# Altium PCB TrackCommanderCar_PCB.PcbDoc (part 1 of 2)
Units mm, origin at the board's own origin, x right, y up, seen from the top; angles counter-clockwise.
Board outline 155.3 x 78.3 mm, 2 copper layers (Top Layer, Bottom Layer); 125 components, 88 nets, 481 pads, 306 vias.
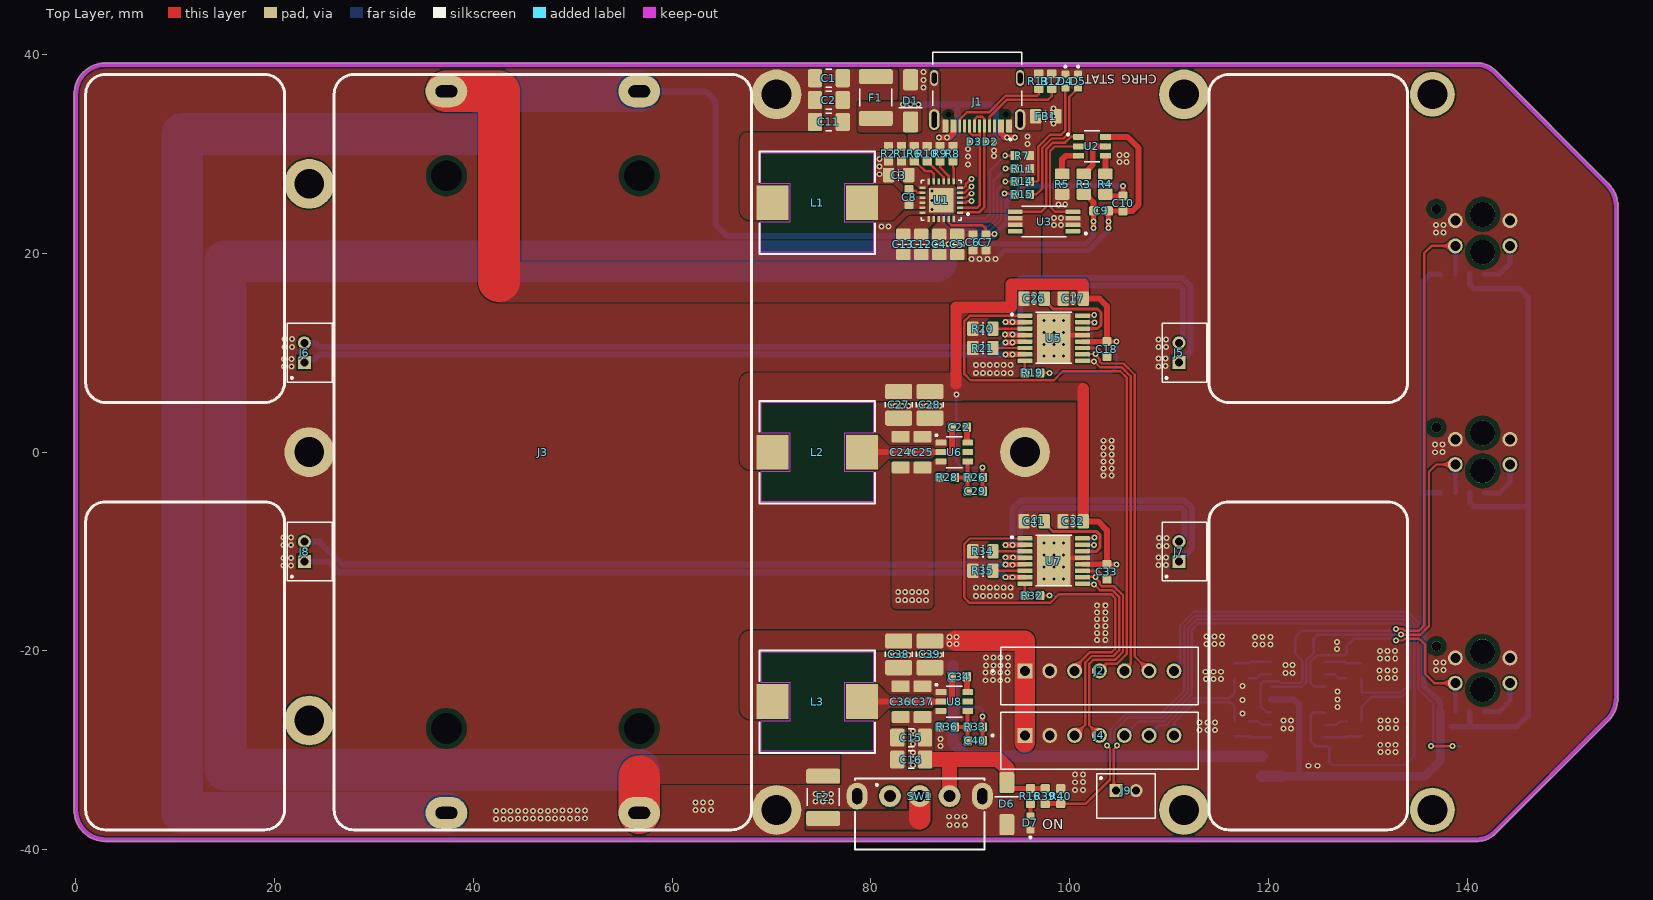
[diagram p0: Top Layer view]
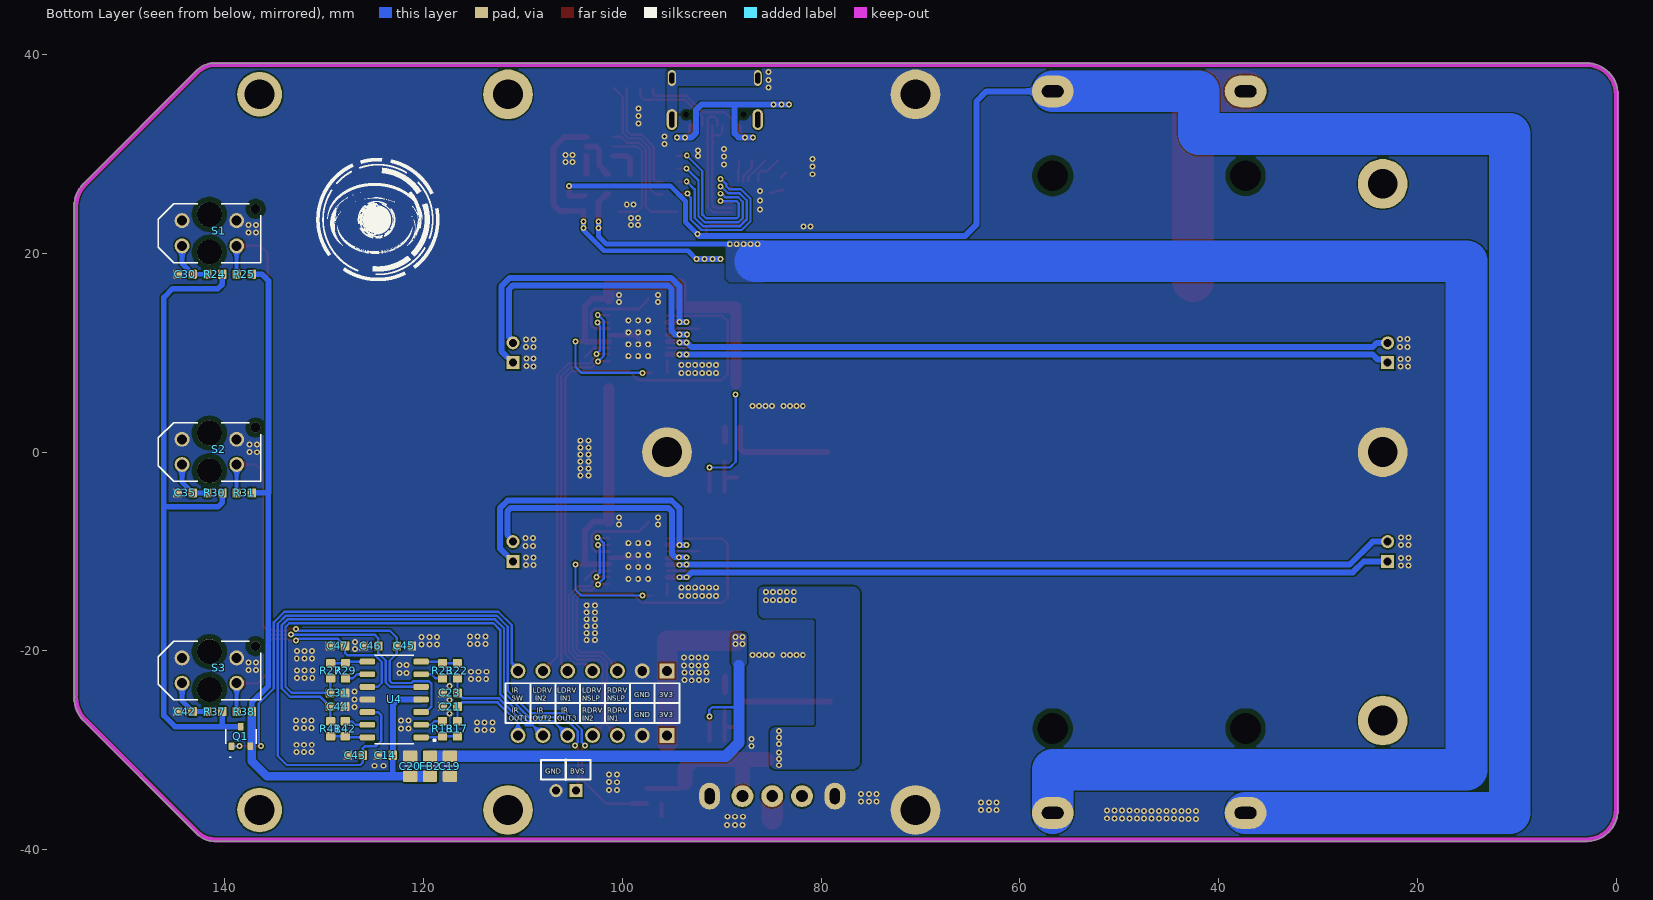
[diagram p1: Bottom Layer view, seen from below]

## Layer stack, top to bottom
Top Solder: solder mask 0.0102, Solder Resist, Dk 3.5
Top Layer: signal copper 0.0356
Dielectric 1: dielectric 0.32, FR-4, Dk 4.8
Bottom Layer: signal copper 0.0356
Bottom Solder: solder mask 0.0102, Solder Resist, Dk 3.5

## Board outline
2.999,-39.151 13,-39.151 140.997,-39.151 141,-39.151 ccw(c141,-36.587) 142.813,-38.4 142.816,-38.397 154.208,-27.005 ccw(c151.933,-24.73) 155.15,-24.731 ccw(c155,-24.731) 155.096,-24.615 ccw(c155,-24.5) 155.15,-24.5 155.15,24.96 155.137,25.022 ccw(c151.934,24.729) 154.208,27.004 142.813,38.399 ccw(c141,36.585) 141.001,39.15 141,39.15 3,39.15 2.997,39.15 ccw(c3,35.999) -0.151,35.999 -0.151,28.999 -0.151,-36.001 -0.151,-36.002 ccw(c3,-36.001)

## Design rules (kind name [scope] priority, off if disabled: settings)
AcuteAngle AcuteAngle_Default [All] p1: minimum=8.50000000000000E+0001 checktracksonly=FALSE
BoardOutlineClearance BoardOutlineClearance_Default [All] p1: gap=0.3 ignorepadtopadclearanceinfootprint=FALSE except(0: Arc-SplitContinuation Track-SplitContinuation SMDPad-SplitContinuation THPad-SplitContinuation Via-SplitContinuation Fill-SplitContinuation Poly-SplitContinuation Region-SplitContinuation Text-SplitContinuation)
Clearance Clearance_NPTH [Hole And (PadIsPlated = 'False')] p1: gap=0 ignorepadtopadclearanceinfootprint=TRUE except(0.5: Arc-Hole Track-Hole SMDPad-Hole THPad-Hole Via-Hole Fill-Hole Poly-Hole Region-Hole Text-Hole)
Clearance Clearance_RF_50R_To_GND [InNetClass('RF_50R') vs InNet('GND')] p2: gap=0.23 ignorepadtopadclearanceinfootprint=FALSE
Clearance Clearance_Power_To_GND [InNetClass('Power') vs InNet('GND')] p3: gap=0.3 ignorepadtopadclearanceinfootprint=FALSE
Clearance Clearance_Default [All] p4: gap=0.15 ignorepadtopadclearanceinfootprint=FALSE except(0.3: Arc-Hole Track-Hole THPad-Hole Via-Hole Fill-Hole Poly-Hole Region-Hole Text-Hole)
DiffPairsRouting [All] p1: maxlimit=0.254 minlimit=0.1 mostfreqgap=0.2 toplayer_minwidth=0.1 toplayer_maxwidth=0.381 toplayer_prefwidth=0.25 bottomlayer_minwidth=0.1 bottomlayer_maxwidth=0.381 bottomlayer_prefwidth=0.25 maxuncoupledlength=12.7
HoleSize HoleSize_Default [All] p1: absolutevalues=TRUE maxlimit=10 minlimit=0.2 maxpercent=80.000 minpercent=20.000
HoleToHoleClearance [All] p1: gap=0.1 allowstackedmicrovias=TRUE
HoleToHoleClearance HoleToHoleClearance_Default [All] p2: gap=0.3 allowstackedmicrovias=FALSE
MatchedLengths MatchedLengths_SBC_USB2 [InNetClass('SBC_USB2')] p1: tolerance=25.4 checknetsindiffpair=FALSE checkdiffpairvsdiffpair=TRUE checkxsignals=TRUE checkothers=TRUE
MinimumAnnularRing MinimumAnnularRing_Default [All] p1: minimumring=0.05
MinimumSolderMaskSliver MinimumSolderMaskSliver_OnSolder [OnSolderMask vs OnSolderMask] p1: minsoldermaskwidth=0.08
MinimumSolderMaskSliver MinimumSolderMaskSliver_Default [All] p2: minsoldermaskwidth=0.08
PlaneClearance PlaneClearance_Default [All] p1: clearance=0.5
PlaneConnect PlaneConnect_Default [All] p1: pad.planeconnectstyle=Relief pad.reliefexpansion=0.5 pad.reliefentries=4 pad.reliefconductorwidth=0.2 pad.reliefairgap=0.5 via.planeconnectstyle=Direct via.reliefexpansion=0.508 via.reliefentries=4 via.reliefconductorwidth=0.254 via.reliefairgap=0.5
PolygonConnect PolygonConnect_Thermal [InPadClass('Thermal')] p1: connectstyle=Relief reliefconductorwidth=0.25 reliefentries=4 polygonreliefangle="45 Angle" airgapwidth=0.2
PolygonConnect PolygonConnect_Direct [InPadClass('Direct')] p2: connectstyle=Direct reliefconductorwidth=0.254 reliefentries=4 polygonreliefangle="90 Angle" airgapwidth=0.254
PolygonConnect PolygonConnect_Default [All] p3: connectstyle=Direct reliefconductorwidth=1 reliefentries=4 polygonreliefangle="45 Angle" airgapwidth=0.05
RoutingVias [All] p1: holewidth=0.3 width=0.5 viastyle="Through Hole" minholewidth=0.3 minwidth=0.5 maxholewidth=0.4 maxwidth=0.6
SilkToSilkClearance SilkToSilkClearance_Default [All] p1: silktosilkclearance=0.125
SilkToSolderMaskClearance SilkToSolderMaskClearance_Default [All] p1: minsilkscreentomaskgap=0.08 clearancetoexposedcopper=FALSE
SolderMaskExpansion SolderMaskExpansion_via [IsVia] p1: expansion=-0.3 istentingtop=FALSE
SolderMaskExpansion SolderMaskExpansion_NPTH [Hole And (PadIsPlated = 'False')] p2: expansion=0.1 istentingtop=FALSE soldermaskfromhole=TRUE
SolderMaskExpansion [All] p3: expansion=0.05 istentingtop=FALSE
SupplyNets "Schematic Supply Nets_6" [InNet('+5V SYS')] p1: voltage=0.000
SupplyNets "Schematic Supply Nets_5" [InNet('+3V3 SENSOR')] p2: voltage=0.000
SupplyNets "Schematic Supply Nets_4" [InNet('GND')] p3: voltage=0.000
SupplyNets "Schematic Supply Nets_3" [InNet('+5V')] p4: voltage=0.000
SupplyNets "Schematic Supply Nets_2" [InNet('+3V3')] p5: voltage=0.000
SupplyNets "Schematic Supply Nets_1" [InNet('+VBAT')] p6: voltage=0.000
SupplyNets "Schematic Supply Nets" [InNet('+5V USB')] p7: voltage=0.000
UnConnectedPin [All] p1 off:
UnpouredPolygon UnpouredPolygon_Default [All] p1:
Width Width_RF_50R [InNetClass('RF_50R')] p1: maxlimit=1 minlimit=1 preferedwidth=1
Width Width_Default [All] p2: maxlimit=5 minlimit=0.15 preferedwidth=0.24 minimp=50.000000 maximp=50.000000 favimp=50.000000
21 further rules are at their usual default settings.

## Classes and differential pairs
differential pair class DIFF_USB: USB_D
differential pair USB_D: +USB_D_P -USB_D_N

## Components (designator, comment, footprint, x,y, rotation, side; value= is the part's Value field where it differs from the comment)
C1 "10uF" C_1206#1 75.775,37.619 r0 top
C2 "0.1u" C_1206#1 75.775,35.419 r0 top
C3 "10uF 25V" C_0805 82.79,27.88 r0 top
C4 "10uF 25V" C_0805 86.875,20.899 r90 top
C5 "10uF 25V" C_0805 88.675,20.899 r90 top
C6 "0.1uF" C_0603 90.275,21.099 r90 top
C7 "0.1uF" C_0603 91.575,21.099 r90 top
C8 "0.1uF" C_0603 83.84,25.67 r270 top
C9 "0.1uF" C_0603 103.159,24.285 r180 top
C10 "0.1uF" C_0603 105.369,25.02 r90 top
C11 "10uF" C_1206#1 75.775,33.219 r0 top
C12 "22uF" C_0805 85.075,20.899 r90 top
C13 "22uF" C_0805 83.275,20.899 r90 top
C14 "0.1uF" C_0603 123.85,-30.5 r0 bottom
C15 "10uF" C_1206#1 84.06,-28.727 r0 top
C16 "0.1u" C_1206#1 84.06,-30.927 r0 top
C17 "10uF" C_0805 100.375,15.45 r0 top
C18 "0.1uF" C_0603 103.75,10.374 r90 top
C19 "2.2uF" C_0805 117.35,-31.6 r90 bottom
C20 "2.2uF" C_0805 121.35,-31.6 r270 bottom
C21 "0.1uF" C_0603 117.345,-25.6 r180 bottom
C22 "0.1uF" C_0603 88.9,2.5 r0 top
C23 "0.1uF" C_0603 117.345,-24.225 r180 bottom
C24 "22uF" C_1206#2 83,0 r270 top
C25 "0.1uF" C_1206#2 85.2,0 r270 top
C26 "2.2uF" C_0805 96.425,15.45 r180 top
C27 "22uF" C_1210 82.8,4.759 r90 top
C28 "22uF" C_1210 85.94,4.759 r270 top
C29 "75pF" C_0603 90.5,-3.941 r180 top
C30 "0.1uF" C_0603 144,17.9 r0 bottom
C31 "0.1uF" C_0603 128.655,-24.225 r0 bottom
C32 "10uF" C_0805 100.35,-6.967 r0 top
C33 "0.1uF" C_0603 103.75,-12.04 r90 top
C34 "0.1uF" C_0603 88.9,-22.6 r0 top
C35 "0.1uF" C_0603 144,-4.1 r0 bottom
C36 "22uF" C_1206#2 83,-25.1 r270 top
C37 "0.1uF" C_1206#2 85.2,-25.1 r270 top
C38 "22uF" C_1210 82.8,-20.341 r90 top
C39 "22uF" C_1210 85.94,-20.341 r270 top
C40 "56pF" C_0603 90.5,-29.041 r180 top
C41 "2.2uF" C_0805 96.425,-6.967 r180 top
C42 "0.1uF" C_0603 144,-26.1 r0 bottom
C43 "0.1uF" C_0603 126.86,-30.5 r180 bottom
C44 "0.1uF" C_0603 128.655,-25.6 r0 bottom
C45 "0.1uF" C_0603 121.93,-19.5 r0 bottom
C46 "0.1uF" C_0603 125.315,-19.5 r180 bottom
C47 "0.1uF" C_0603 128.655,-19.5 r180 bottom
D1 "SMAJ8.0A" TVS_SMAJ_XA 83.995,35.349 r90 top
D2 "RCLAMP0521P" TVS_RCLAMP0521P 91.995,31.229 r180 top
D3 "RCLAMP0521P" TVS_RCLAMP0521P 90.395,31.229 r0 top
D4 "Led_Red" Led_0603 99.565,37.329 r270 top
D5 "Led_Green" Led_0603 100.855,37.324 r270 top
D6 "SMAJ9.0A" TVS_SMAJ_XA 93.679,-35.366 r270 top
D7 "Led_Green" Led_0603 96.048,-37.302 r90 top
F1 "MF-MSMF250" Fuse1812#1 80.505,35.679 r90 top
F2 "MF-MSMF250" Fuse1812#2 75.2,-34.7 r270 top
FB1 "30R 100MHz" "Ferrite bead 0805" 97.595,33.784 r180 top
FB2 "100R 100MHz" "Ferrite bead 0805" 119.35,-31.6 r90 bottom
J1 "USB TYPE C" USB_C_16Pin 93.895,32.819 r180 top
J2 "Control PCB connector 1" "JST XH_7_2.5" 103,-22 r180 top
J3 "BAT Holder" "BAT HOLDER BLM 18650 2PCS" 47,0 r180 top
J4 "Control PCB connector 2" "JST XH_7_2.5" 103,-28.5 r180 top
J5 "L Motor connector" "JST PH_2_2.0" 111,10 r270 top
J6 "L Motor connector" "JST PH_2_2.0" 23,10 r270 top
J7 "R Motor connector" "JST PH_2_2.0" 111,-10 r270 top
J8 "R Motor connector" "JST PH_2_2.0" 23,-10 r270 top
J9 "BVS connector" "JST PH_2_2.0" 105.675,-34.05 r180 top
L1 "2.2uF" "INDUCTOR 1040" 74.6,25.1 r0 top
L2 "15uH" "INDUCTOR 1040" 74.6,0 r180 top
L3 "15uH" "INDUCTOR 1040" 74.6,-25.1 r180 top
Q1 "SI2301DS" SOT-23 138.375,-28.6 r90 bottom
R1 "0.5R" R_0603 83.081,30.023 r90 top
R2 "5K1" R_0603 81.765,30.023 r270 top
R3 "330R" R_0805 101.43,26.972 r270 top
R4 "330R" R_0805 103.602,26.972 r270 top
R5 "2K" R_0805 99.247,26.972 r90 top
R6 "60K" R_0603 84.365,30.034 r270 top
R7 "120K" R_0603 95.221,29.834 r180 top
R8 "1K" R_0603 88.265,30.034 r270 top
R9 "1K" R_0603 86.965,30.034 r270 top
R10 "120K" R_0603 85.665,30.034 r270 top
R11 "51K" R_0603 95.221,28.534 r180 top
R12 "5K1" R_0603 98.195,37.319 r270 top
R13 "5K1" R_0603 96.895,37.319 r270 top
R14 "100R" R_0603 95.221,27.234 r0 top
R15 "100R" R_0603 95.221,25.934 r0 top
R16 "1K" R_0603 96.051,-34.598 r90 top
R17 "100R" R_0603 116.59,-27.845 r270 bottom
R18 "100R" R_0603 118.09,-27.825 r90 bottom
R19 "10K" R_0603 96.258,7.975 r0 top
R20 "0.2R" R_0805 91.275,12.429 r180 top
R21 "0.2R" R_0805 91.275,10.479 r180 top
R22 "100R" R_0603 116.59,-22 r90 bottom
R23 "100R" R_0603 118.09,-22 r270 bottom
R24 "120R" R_0603 141,17.9 r180 bottom
R25 "4.7K" R_0603 138.05,17.9 r0 bottom
R26 "100K 1%" R_0603 90.5,-2.541 r180 top
R27 "100R" R_0603 129.35,-22 r90 bottom
R28 "13.3K 1%" R_0603 87.7,-2.541 r0 top
R29 "100R" R_0603 127.85,-22 r270 bottom
R30 "120R" R_0603 141,-4.1 r180 bottom
R31 "4.7K" R_0603 138.05,-4.1 r0 bottom
R32 "10K" R_0603 96.258,-14.425 r0 top
R33 "100K 1%" R_0603 90.5,-27.641 r180 top
R34 "0.2R" R_0805 91.275,-9.985 r180 top
R35 "0.2R" R_0805 91.275,-11.935 r180 top
R36 "22.1K 1%" R_0603 87.7,-27.641 r0 top
R37 "120R" R_0603 141,-26.1 r180 bottom
R38 "4.7K" R_0603 138.05,-26.1 r0 bottom
R39 "30K" R_0603 97.55,-34.6 r270 top
R40 "12K" R_0603 99.1,-34.6 r90 top
R41 "100R" R_0603 129.35,-27.825 r270 bottom
R42 "100R" R_0603 127.88,-27.825 r90 bottom
S1 "TCRT5000" TCRT5000 141.5,22 r0 bottom
S2 "TCRT5000" TCRT5000 141.5,0 r0 bottom
S3 "TCRT5000" TCRT5000 141.5,-22 r0 bottom
SW1 "SSW" Slide_SW_SS12F23G4 84.92,-34.61 r0 top
U1 "IP2326" IP2326_QFN_24 87.075,25.349 r180 top
U2 "HY2120" HY2120 102.247,30.772 r0 top
U3 "FS8205A" FS8205A 97.425,23.201 r180 top
U4 "MCP6004" MCP6004_SOIC 122.95,-24.885 r0 bottom
U5 "DRV8833PWPR" DRV8833PWPR 98.403,11.454 r0 top
U6 "TPS54202DDCR" TPS54202DDCR 88.4,0 r0 top
U7 "DRV8833PWPR" DRV8833PWPR 98.403,-10.96 r0 top
U8 "TPS54202DDCR" TPS54202DDCR 88.4,-25.1 r0 top

## Footprints (in the part's own frame and the unit in brackets; to place one, negate y for a bottom-side part, rotate by r counter-clockwise, add the part's x,y. Pads: shape width x height; smd on the part's side, far side on the other; paste and mask are expansions set on the pad)
"BAT HOLDER BLM 18650 2PCS" [mm]
  oval 4.2x3.2 hole 1.2 slot 2.2 at 0 deg mask+0.07: 1(-9.7,36.3) 2(9.7,36.3) 3(-9.7,-36.3) 4(9.7,-36.3)
  round 0.55 hole 3.1 unplated mask+0.07: ""(-9.7,27.8) ""(-9.7,-27.8) ""(9.7,27.8) ""(9.7,-27.8)
  body extent -20.1,-38.9 20.1,38.9, height 22.99
C_0603 [mm]
  rrect25% 0.87x0.93 smd mask+0.07: 1(-0.755,0) 2(0.755,0)
  body extent -0.8,-0.4 0.8,0.4, height 0.97
C_0805 [mm]
  rrect25% 1.15x1.45 smd mask+0.07: 1(-1.016,0)
  rrect25% 1.15x1.45 smd paste-2539.97 mask+0.07: 2(1.016,0)
  silkscreen extent 0,-0.55 0,0.55, body extent -1,-0.63 1,0.63, height 1.52
C_1206#1 [mm]
  rrect25% 1.44x1.82 smd mask+0.07: 1(-1.397,0) 2(1.397,0)
  silkscreen extent -0.29,-0.9 0.29,0.9, body extent -1.6,-0.8 1.6,0.8, height 1.9
C_1206#2 [mm]
  rrect25% 1.2x1.82 smd mask+0.07: 1(-1.55,0) 2(1.55,0)
  silkscreen extent -0.29,-0.9 0.29,0.9, body extent -1.6,-0.8 1.6,0.8, height 1.9
C_1210 [mm]
  rrect25% 1.53x2.72 smd mask+0.07: 1(-1.341,0) 2(1.341,0)
  silkscreen extent -0.26,-1.35 0.26,1.35, body extent -1.6,-1.25 1.6,1.25, height 2.65
DRV8833PWPR [mm]
  rrect25% 1.5x0.45 smd mask+0.05: 1(-2.9,2.275) 2(-2.9,1.625) 3(-2.9,0.975) 4(-2.9,0.325) 5(-2.9,-0.325) 6(-2.9,-0.975) 7(-2.9,-1.625) 8(-2.9,-2.275) 9(2.9,-2.275) 10(2.9,-1.625) 11(2.9,-0.975) 12(2.9,-0.325) 13(2.9,0.325) 14(2.9,0.975) 15(2.9,1.625) 16(2.9,2.275)
  round 0.6 hole 0.3 mask+0: GND(-1,-1.8) GND(-1,-0.6) GND(-1,0.6) GND(-1,1.8) GND(0,-1.8) GND(0,-0.6) GND(0,0.6) GND(0,1.8) GND(1,-1.8) GND(1,-0.6) GND(1,0.6) GND(1,1.8)
  rect 3.4x5 smd paste-2539.97 mask+0: GND(0,0)
  silkscreen extent -4.3,-2.5 1.83,2.6, body extent -3.2,-2.5 3.2,2.5, height 1.2
"Ferrite bead 0805" [mm]
  rrect25% 1.15x1.45 smd mask+0.07: 1(-1.016,0)
  rrect25% 1.15x1.45 smd paste-2539.97 mask+0.07: 2(1.016,0)
  silkscreen extent 0,-0.55 0,0.55, body extent -1,-0.63 1,0.63, height 1.05
FS8205A [mm]
  rrect25% 1.5x0.45 smd mask+0.05: 1(-2.9,0.975) 2(-2.9,0.325) 3(-2.9,-0.325) 4(-2.9,-0.975) 5(2.9,-0.975) 6(2.9,-0.325) 7(2.9,0.325) 8(2.9,0.975)
  silkscreen extent -4.3,-1.52 2.25,1.52, body extent -3.2,-1.47 3.2,1.47, height 1.2
Fuse1812#1 [mm]
  rrect25% 1.5x3.4 smd mask+0.07: 1(-2.1,0) 2(2.1,0)
  silkscreen extent -0.9,-1.62 0.9,1.62, body extent -2.27,-1.62 2.27,1.62, height 0.85
Fuse1812#2 [mm]
  rrect25% 1.5x3.4 smd mask+0.07: 1(-2.1,0) 2(2.16,0)
  silkscreen extent -0.9,-1.62 0.9,1.62, body extent -2.27,-1.62 2.27,1.62, height 0.85
HY2120 [mm]
  rrect25% 1.1x0.6 smd mask+0.07: 1(-1.35,0.95) 2(-1.35,0) 3(-1.35,-0.95) 4(1.35,-0.95) 5(1.35,0) 6(1.35,0.95)
  silkscreen extent -2.5,-1.56 0.8,1.57, body extent -1.5,-1.5 1.5,1.5, height 1.1
"INDUCTOR 1040" [mm]
  rect 3.2x3.5 smd mask+0.09: 1(-4.5,0) 2(4.5,0)
  Top Layer keep-out region: -5.653,1.9 -5.653,5 5.65,5 5.65,1.9 2.7,1.9 2.7,-1.9 5.65,-1.9 5.65,-5 -5.653,-5 -5.653,-1.9 -2.7,-1.9 -2.7,1.9
  silkscreen extent -5.8,-5.15 5.8,5.15, body extent -5.65,-5 5.65,5, height 4.2
IP2326_QFN_24 [mm]
  rrect25% 0.6x0.25 smd mask+0.07: 1(-1.9,1.25) 2(-1.9,0.75) 3(-1.9,0.25) 4(-1.9,-0.25) 5(-1.9,-0.75) 6(-1.9,-1.25) 13(1.9,-1.25) 14(1.9,-0.75) 15(1.9,-0.25) 16(1.9,0.25) 17(1.9,0.75) 18(1.9,1.25)
  rrect25% 0.25x0.6 smd mask+0.07: 7(-1.25,-1.9) 8(-0.75,-1.9) 9(-0.25,-1.9) 10(0.25,-1.9) 11(0.75,-1.9) 12(1.25,-1.9) 19(1.25,1.9) 20(0.75,1.9) 21(0.25,1.9) 22(-0.25,1.9) 23(-0.75,1.9) 24(-1.25,1.9)
  rrect2% 2.45x2.45 smd paste-0.45 mask+0.07: GND(0,0)
  silkscreen extent -2.8,-2 2,2, body extent -2,-2 2,2, height 1
"JST PH_2_2.0" [mm]
  rect 1.308x1.308 / inner round 1.308 / far side rect 1.308x1.308 hole 0.8 mask+0.07: 1(1,0)
  round 1.308 hole 0.8 mask+0.07: 2(-1,0)
  silkscreen extent -2.95,-1.7 2.95,2.8, body extent -2.95,-1.7 2.95,2.8, height 6
"JST XH_7_2.5" [mm]
  rect 1.508x1.508 / inner round 1.508 / far side rect 1.508x1.508 hole 1 mask+0.07: 1(7.5,0)
  round 1.508 hole 1 mask+0.07: 2(5,0) 3(2.5,0) 4(0,0) 5(-2.5,0) 6(-5,0) 7(-7.5,0)
  silkscreen extent -9.95,-2.35 10.85,3.4, body extent -9.95,-2.35 9.95,3.4, height 7
Led_0603 [mm]
  rrect25% 0.7x0.8 smd mask+0.07: 1(-0.7,0) 2(0.7,0)
  silkscreen extent -1.56,-0.1 -1.36,0.1, body extent -0.8,-0.4 0.8,0.4, height 0.55
MCP6004_SOIC [mm]
  rrect50% 1.55x0.6 smd mask+0.05: 1(-2.7,3.81) 2(-2.7,2.54) 3(-2.7,1.27) 4(-2.7,0) 5(-2.7,-1.27) 6(-2.7,-2.54) 7(-2.7,-3.81) 8(2.7,-3.81) 9(2.7,-2.54) 10(2.7,-1.27) 11(2.7,0) 12(2.7,1.27) 13(2.7,2.54) 14(2.7,3.81)
  silkscreen extent -4.15,-4.45 1.95,4.45, body extent -3,-4.33 3,4.33, height 1.75
R_0603 [mm]
  rrect25% 0.87x0.93 smd mask+0.07: 1(-0.755,0) 2(0.755,0)
  body extent -0.77,-0.4 0.77,0.4, height 0.55
R_0805 [mm]
  rrect25% 1.15x1.45 smd mask+0.07: 1(-1.016,0)
  rrect25% 1.15x1.45 smd paste-2539.97 mask+0.07: 2(1.016,0)
  silkscreen extent 0,-0.55 0,0.55, body extent -1,-0.63 1,0.63, height 0.65
Slide_SW_SS12F23G4 [mm]
  round 2.2 hole 1.2 mask+0.07: 1(-3,0) 2(0,0) 3(3,0)
  oval 2.1x2.7 hole 1 slot 1.6 at 90 deg mask+0.07: SH(-6.3,0) SH(6.3,0)
  silkscreen extent -6.5,-5.35 6.5,1.8, body extent -6.5,-10.35 6.5,0.45, height 5.6
SOT-23 [mm]
  rrect25% 0.76x0.56 smd mask+0.07: 1(-0.984,0.95) 2(-0.984,-0.95) 3(0.984,0)
  silkscreen extent -2.14,-1.55 0.72,1.55, body extent -1.2,-1.45 1.2,1.45, height 1.14
TCRT5000 [mm]
  round 1.5 hole 1 mask+0.07: A(2.8,1.245) CATH(2.8,-1.295) COLL(-2.7,1.245) E(-2.7,-1.295)
  round 1 hole 1 unplated mask+0.07: ""(-4.6,-2.475)
  round 2.5 hole 2.5 unplated mask+0.07: ""(0.05,-1.925) ""(0.05,1.875)
  silkscreen extent -5.1,-2.97 5.2,2.93, body extent -5.08,-3.4 5.12,3.4, height 7.2
TPS54202DDCR [mm]
  rrect25% 1.1x0.6 smd mask+0.07: 1(-1.35,0.95) 2(-1.35,0) 3(-1.35,-0.95) 4(1.35,-0.95) 5(1.35,0) 6(1.35,0.95)
  silkscreen extent -1.9,-1.56 0.8,1.8, body extent -1.5,-1.5 1.5,1.5, height 1.1
TVS_RCLAMP0521P [mm]
  rrect25% 0.55x0.6 smd mask+0.05: 1(-0.425,0) 2(0.425,0)
  body extent -0.55,-0.36 0.55,0.36, height 0.56
TVS_SMAJ_XA [mm]
  rrect25% 2.12x1.5 smd mask+0.07: 1(-2.115,0) 2(2.115,0)
  silkscreen extent -0.7,-1.2 -0.7,1.2, body extent -2.57,-1.28 2.57,1.28, height 2.5
USB_C_16Pin [mm]
  rrect20% 0.6x1.3 smd mask+0.05: A1_B12(0,0) A4_B9(0.8,0) B1_A12(6.4,0) B4_A9(5.6,0)
  rrect20% 0.3x1.3 smd mask+0.05: A5(1.95,0) A6(2.95,0) A7(3.45,0) A8(4.45,0) B5(4.95,0) B6(3.95,0) B7(2.45,0) B8(1.45,0)
  oval 1.05x2.1 hole 0.5 slot 1.6 at 90 deg mask+0.05: S1(-1.12,-0.64) S2(7.52,-0.64)
  oval 0.8x1.6 hole 0.5 slot 1.1 at 90 deg mask+0.05: S3(-1.12,-4.82) S4(7.52,-4.82)
  round 0 hole 0.6 mask+0.35: ""(0.31,-1.14) ""(6.09,-1.14)
  silkscreen extent -1.27,-7.42 7.67,1.45, body extent -1.27,-7.46 7.67,0.35, height 3.26

## Part data
C1 C2 C11 C15 C16 C24 C25 C36 C37: library part C1206
C3 C4 C5 C12 C13 C17 C19 C20 C26 C32 C41: library part C0805
C6 C7 C8 C9 C10 C14 C18 C21 C22 C23 C29 C30 C31 C33 C34 C35 C40 C42 C43 C44 C45 C46 C47: library part C0603
C27 C28 C38 C39: library part C1210
D1 D6: library part TVS_SMAJ_XA
D2 D3: library part TVS_RCLAMP0521P
F1 F2: library part Fuse1812
FB1 FB2: library part "Ferrite Bead 0805"
J1: library part USB_C, "16_PIN"
J2 J4: library part "JST XH_7_2.5"
J5 J6 J7 J8 J9: library part "JST PH_2_2.0"
L1 L2 L3: library part INDUCTOR_1040
Q1: library part MOSFET_P_channel
R1 R2 R6 R7 R8 R9 R10 R11 R12 R13 R14 R15 R16 R17 R18 R19 R22 R23 R24 R25 R26 R27 R28 R29 R30 R31 R32 R33 R36 R37 R38 R39 R40 R41 R42: library part R0603
R3 R4 R5 R20 R21 R34 R35: library part R0805
U2: "Battery protection"
U3: "Back to back MOSFET"
U4: "OP_AMP rail to rail"
U5 U7: "Dual H-Bridge Motor Driver"

## Free pads (board coordinates)
  round 0.6 hole 0.3 mask+0.05: 2(82.755,-14.895) 2(82.755,-14.07) 2(83.455,-14.895) 2(83.455,-14.07) 2(84.155,-14.895) 2(84.155,-14.07) 2(84.855,-14.895) 2(84.855,-14.07) 2(85.555,-14.895) 2(85.555,-14.07) 2(86.395,20.92) 2(87.095,20.92) 2(87.795,20.92) 2(88.495,20.92) 2(89.195,20.92) 2(90.57,-14.459) 2(90.57,-13.634) 2(90.57,7.955) 2(90.57,8.78) 2(91.27,-14.459) 2(91.27,-13.634) 2(91.27,7.955) 2(91.27,8.78) 2(91.97,-14.459) 2(91.97,-13.634) 2(91.97,7.955) 2(91.97,8.78) 2(92.67,-14.459) 2(92.67,-13.634) 2(92.67,7.955) 2(92.67,8.78) 2(93.37,-14.459) 2(93.37,-13.634) 2(93.37,7.955) 2(93.37,8.78) 2(94.07,-14.459) 2(94.07,-13.634) 2(94.07,7.955) 2(94.07,8.78) 2(102.765,-18.91) 2(102.765,-18.21) 2(102.765,-17.51) 2(102.765,-16.81) 2(102.765,-16.11) 2(102.765,-15.41) 2(103.405,-2.35) 2(103.405,-1.65) 2(103.405,-0.95) 2(103.405,-0.25) 2(103.405,0.45) 2(103.405,1.15) 2(103.59,-18.91) 2(103.59,-18.21) 2(103.59,-17.51) 2(103.59,-16.81) 2(103.59,-16.11) 2(103.59,-15.41) 2(104.23,-2.35) 2(104.23,-1.65) 2(104.23,-0.95) 2(104.23,-0.25) 2(104.23,0.45) 2(104.23,1.15)
  round 5 hole 3: 3(23.5,-27) 3(23.5,0) 3(23.5,27) 3(70.5,-36) 3(70.5,36) 3(95.5,0) 3(111.5,-36) 3(111.5,36)
  round 4.5 hole 3: 3(136.5,-36) 3(136.5,36)

## Via types
v1: diameter 0.6, hole 0.3, Top Layer to Bottom Layer, 306 vias

## Nets (pads, with @x,y where several pads share a name; then routed paths per layer and width w, separated by ;. In a path a pad name is that pad's centre, name@x,y a point inside that pad or via, vN(x,y) a via of type N, cw(c..) or ccw(c..) an arc to the next point about the centre after c; other vN are vias at no path point)
+3V3: C19.2 C38.2 C39.1 C40.1 FB2.2 J2.1 J4.1 L3.2 R33.1 | length 62.8
  Top Layer w0.4: C40.1@91.255,-29.041 R33.1@91.255,-27.641 v1(91.255,-26.6)
  Top Layer w2.05: 88.54,-18.97 95.5,-18.97 J2.1@95.5,-22 J4.1@95.5,-28.5 J4.1@95.5,-29.205
  Bottom Layer w0.24: 88.264,-25.63 88.294,-25.66 90.98,-25.66 91.255,-25.935 v1(91.255,-26.6)
  Bottom Layer w1.15: 88.264,-21.475 88.264,-25.63 88.264,-29.239 89.609,-30.584 C19.2@117.35,-30.584 FB2.2@119.35,-30.584
  other v1: 87.9,-19.317 88.6,-19.317 87.9,-18.617 88.6,-18.617
"+3V3 SENSOR": C14.1 C20.2 FB2.1 Q1.2 R25.1 R31.1 R38.1 U4.4 | length 81.5
  Bottom Layer w0.24: C14.1@123.095,-30.5 C14.1@123.1,-30.5
  Bottom Layer w0.56: 135.6,-4.09 135.6,17.242 136.258,17.9 R25.1@137.295,17.9 ; R38.1@137.295,-26.1 R38.1@137.295,-26.1 137.294,-25.197 135.61,-23.513 135.61,-4.1 R31.1@137.295,-4.1
  Bottom Layer w0.6: U4.4@120.25,-24.885 122.56,-24.885 123.095,-25.42 C14.1@123.095,-30.5 ; 123.1,-32.616 C14.1@123.1,-30.5
  Bottom Layer w0.87: C20.2@121.35,-32.616 123.1,-32.616 135.759,-32.616 137.295,-31.08 137.295,-29.585 R38.1@137.295,-26.1
  Bottom Layer w1.15: FB2.1@119.35,-32.616 C20.2@121.35,-32.616
+5V: C17.2 C18.2 C27.2 C28.1 C29.1 C32.2 C33.2 L2.2 R19.2 R26.1 R32.2 U5.12 U7.12 | length 89.9
  Top Layer w0.24: R32.2@97.013,-14.425 v1(97.974,-14.425) ; R19.2@97.013,7.975 v1(97.974,7.975) ; C33.2@103.75,-11.285 104.074,-11.285 104.076,-11.283 C33.2@104.078,-11.285
  Top Layer w0.4: C29.1@91.255,-3.941 R26.1@91.255,-2.541 v1(91.255,-1.54) ; C18.2@103.75,11.129 v1(104.711,11.129) ; C33.2@104.078,-11.285 v1(104.711,-11.285)
  Top Layer w0.55: U7.12@101.303,-11.285 C33.2@103.75,-11.285 ; U5.12@101.303,11.129 C18.2@103.75,11.129
  Top Layer w0.6: C32.2@101.366,-6.967 102.867,-6.967 103.75,-7.85 C33.2@103.75,-11.285 ; C17.2@101.391,15.45 103,15.45 103.75,14.7 C18.2@103.75,11.129
  Top Layer w1.15: 88.569,6.886 88.569,14.574 94.109,14.574 94.109,16.9 101.391,16.9 C17.2@101.391,15.45 ; C32.2@101.366,-6.967 101.366,6.39
  Bottom Layer w0.24: v1(88.6,5.8) 88.6,-0.96 89.18,-1.54 v1(91.255,-1.54) ; v1(97.974,-14.425) 104.131,-14.425 104.711,-13.845 v1(104.711,-11.285) ; v1(97.974,7.975) 104.112,7.975 104.711,8.574 v1(104.711,11.129)
"+5V SYS": C1.2 C2.2 C11.2 F1.2 L1.1 R1.2 R2.1
"+5V USB": D1.1 F1.1 J1.A4_B9 J1.B4_A9 | length 23.6
  Top Layer w0.6: v1(86.875,31.679) v1(87.675,31.679) 87.906,31.679 88.295,32.068 J1.B4_A9@88.295,32.819 ; J1.A4_B9@93.095,32.819 93.095,32.068 93.484,31.679 v1(93.716,31.679) v1(94.516,31.679)
  Bottom Layer w0.6: v1(83.215,34.959) v1(83.995,34.959) v1(84.775,34.959) 88.705,34.959 ; v1(86.875,31.679) v1(87.675,31.679) 88.309,31.679 88.705,32.075 88.705,34.959 ; v1(94.516,31.679) 93.031,31.679 92.61,32.1 92.61,34.41 92.061,34.959 88.705,34.959
+VBAT: C15.2 C16.2 C24.2 C25.2 C36.2 C37.2 D6.1 pad.2@82.755,-14.07 pad.2@82.755,-14.895 pad.2@83.455,-14.07 pad.2@83.455,-14.895 pad.2@84.155,-14.07 pad.2@84.155,-14.895 pad.2@84.855,-14.07 pad.2@84.855,-14.895 pad.2@85.555,-14.07 pad.2@85.555,-14.895 R16.2 R39.1 SW1.3 U6.3 U8.3 | length 17
  Top Layer w0.24: R16.2@96.051,-33.843 R16.2@96.052,-33.844 ; R39.1@97.549,-33.844 R39.1@97.55,-33.845
  Top Layer w0.5: D6.1@94.271,-33.843 R16.2@96.051,-33.843 ; R16.2@96.052,-33.844 R39.1@97.549,-33.844
  Top Layer w1.5: C16.2@85.457,-30.927 92.8,-30.927 93.679,-31.806 D6.1@93.679,-33.251 ; SW1.3@87.92,-34.61 87.92,-30.949
  other v1: 84.25,-31.5 84.25,-30.85 84.25,-30.2 84.25,-29.35 84.25,-28.7 84.25,-28.05
BAT+: C4.2 C5.2 C6.2 C9.2 F2.1 J3.1 pad.2@86.395,20.92 pad.2@87.095,20.92 pad.2@87.795,20.92 pad.2@88.495,20.92 pad.2@89.195,20.92 R3.2 U1.21 U1.22 | length 191.3
  Top Layer w0.5: v1(102.404,22.56) v1(102.404,23.225) C9.2@102.404,24.285
  Top Layer w0.6: R3.2@101.43,25.956 101.58,25.956 102.404,25.132 C9.2@102.404,24.285
  Top Layer w4.2: J3.1@56.7,-36.3 56.7,-32.6
  Bottom Layer w0.5: pad.2@89.195,20.92 101.59,20.92 102.404,21.734 v1(102.404,22.56) v1(102.404,23.225)
  Bottom Layer w4.2: J3.1@56.7,-36.3 56.7,-31.95 15.06,-31.95 15.06,19.195 86.615,19.195
BAT-: C6.1 C7.1 C9.1 C10.1 J3.4 U1.24 U2.6 U3.6 U3.7 | length 54.8
  Top Layer w0.5: v1(103.914,22.56) v1(103.914,23.225) C9.1@103.914,24.265 ; C9.1@103.924,24.275 C10.1@105.359,24.275
  Top Layer w0.6: U2.6@103.597,31.722 105.827,31.722 106.947,30.602 106.947,24.901 106.311,24.265 C10.1@105.369,24.265 ; C9.1@103.914,24.265 C9.1@103.924,24.275
  Top Layer w4.2: J3.4@37.3,36.3 42.6,36.3 42.6,17.185
  Bottom Layer w0.5: v1(92.555,19.42) 93.399,20.264 101.853,20.264 103.914,22.325 v1(103.914,22.56) v1(103.914,23.225)
  Bottom Layer w0.6: v1(90.11,19.42) v1(90.925,19.42) v1(91.74,19.42) v1(92.555,19.42)
BATM: C7.2 C10.2 J3.2 J3.3 R4.2 U1.23 | length 219.2
  Top Layer w0.24: U1.23@87.825,23.449 87.83,23.444 87.83,23.104 88.107,22.827 91.231,22.827 91.549,22.509 91.549,21.88 C7.2@91.575,21.854 91.624,21.904 92.411,21.904 v1(92.46,21.953) ; R4.2@103.602,25.956 R4.2@103.783,25.775
  Top Layer w0.5: R4.2@103.783,25.775 C10.2@105.369,25.775 v1(105.369,26.8)
  Bottom Layer w0.5: v1(92.46,21.953) 93.64,23.133 93.64,25.247 95.193,26.8 v1(105.369,26.8)
  Bottom Layer w0.6: J3.3@56.7,36.3 63.375,36.3 64.39,35.285 64.39,22.895 65.515,21.77 92.277,21.77 v1(92.46,21.953)
  Bottom Layer w4.2: J3.2@37.3,-36.3 10.71,-36.3 10.71,32 42,32 42,36.3 J3.3@56.7,36.3
"BUCK1 BOOT": C22.2 U6.6 | length 1.6
  Top Layer w0.24: U6.6@89.655,1.045 U6.6@89.75,0.95
  Top Layer w0.6: U6.6@89.655,1.045 C22.2@89.655,2.5
"BUCK1 FB": C29.2 R26.2 R28.2 U6.4 | length 4.3
  Top Layer w0.24: U6.4@89.745,-0.986 U6.4@89.75,-0.981
  Top Layer w0.4: R28.2@88.455,-2.541 R26.2@89.745,-2.541 ; C29.2@89.745,-3.941 R26.2@89.745,-2.541 ; U6.4@89.745,-0.986 R26.2@89.745,-2.541
"BUCK1 SW": C22.1 L2.1 U6.2 | length 11
  Top Layer w0.6: L2.1@79.4,0 U6.2@87.05,0 87.794,0 88.145,0.351 C22.1@88.145,2.5
"BUCK2 BOOT": C34.2 U8.6 | length 1.6
  Top Layer w0.24: U8.6@89.655,-24.15 U8.6@89.75,-24.15
  Top Layer w0.6: U8.6@89.655,-24.15 C34.2@89.655,-22.6
"BUCK2 FB": C40.2 R33.2 R36.2 U8.4 | length 4.3
  Top Layer w0.24: U8.4@89.745,-26.055 U8.4@89.75,-26.05
  Top Layer w0.4: R36.2@88.455,-27.641 R33.2@89.745,-27.641 ; C40.2@89.745,-29.041 R33.2@89.745,-27.641 ; U8.4@89.745,-26.055 R33.2@89.745,-27.641
"BUCK2 SW": C34.1 L3.1 U8.2 | length 11.4
  Top Layer w0.6: L3.1@79.1,-25.1 U8.2@87.05,-25.1 87.864,-25.1 88.145,-24.819 C34.1@88.145,-22.6
BVS: C44.2 J9.1 R41.1 | length 58.2
  Top Layer w0.24: J9.1@104.675,-34.05 104.45,-33.825 104.45,-29.897 104.75,-29.597 v1(104.75,-29.5)
  Bottom Layer w0.24: v1(104.75,-29.5) 104.75,-29.46 104.469,-29.179 104.469,-28.082 105.867,-26.685 109.392,-26.685 111.914,-24.163 111.914,-17.719 112.803,-16.83 133.682,-16.83 134.28,-17.428 134.28,-23.76 133.415,-24.625 130.385,-24.625 C44.2@129.41,-25.6 ; R41.1@129.35,-27.07 129.38,-27.04 C44.2@129.38,-25.63